# Altium PCB HGT-300.PcbDoc (part 1 of 3) (continued)
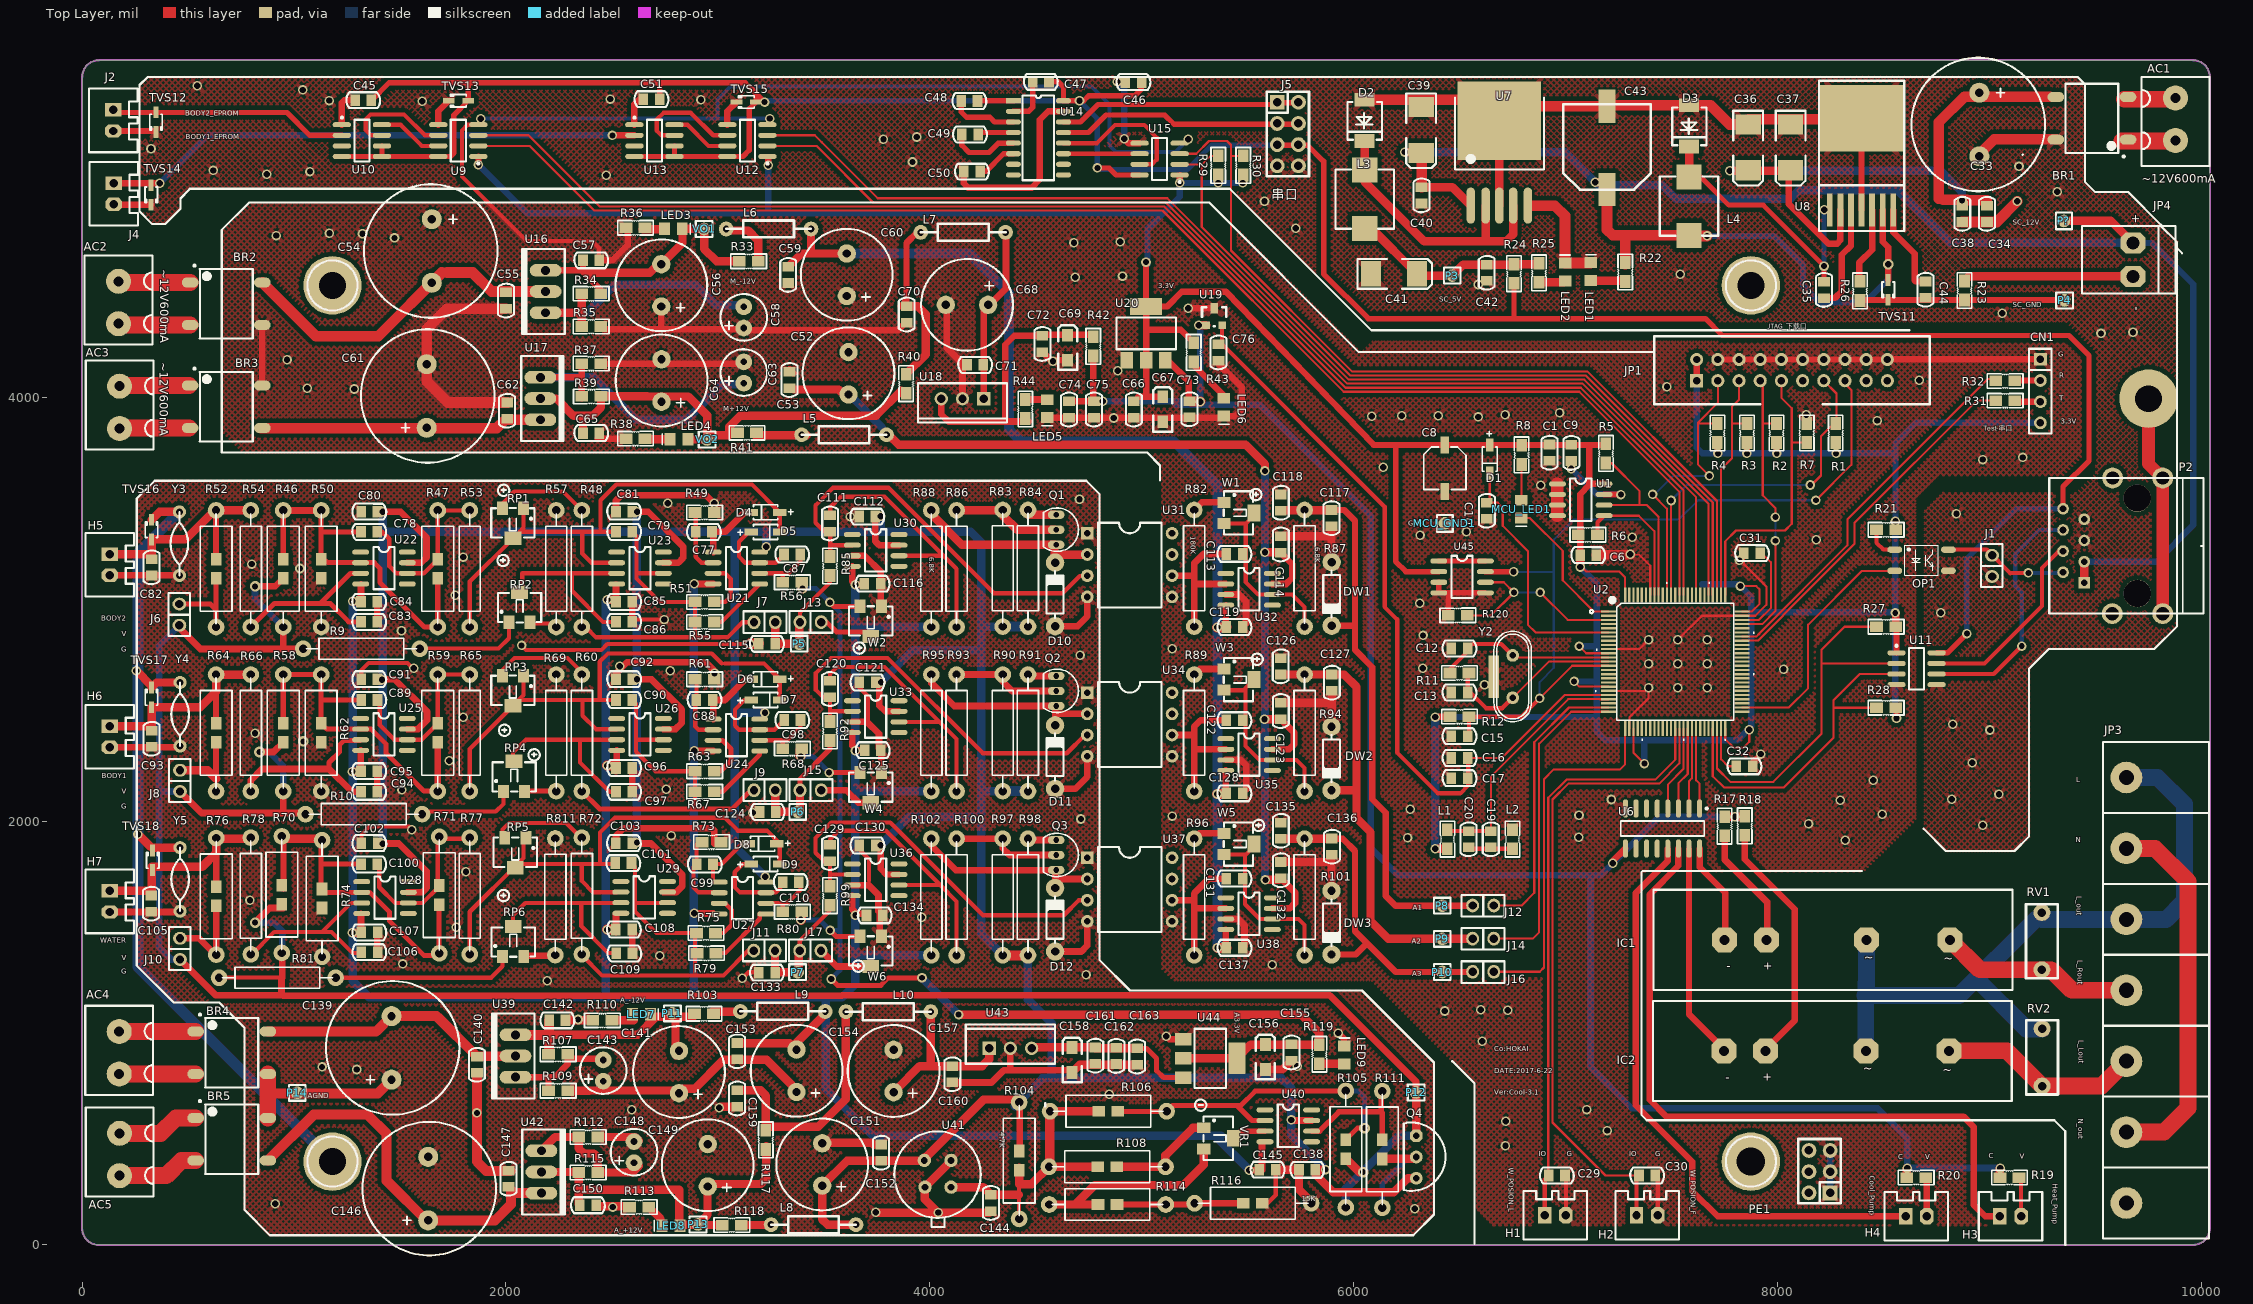
[diagram p0: Top Layer view]
## Components (designator, comment, footprint, x,y, rotation, side; value= is the part's Value field where it differs from the comment) (continued)
P4 "SC_GND" TESTSMD 9354,4457 r0 top
P5 "V_Body2" TESTSMD 3384,2837 r0 top
P6 "V_Test" TESTSMD 3377,2044 r0 top
P7 "Woter" TESTSMD 3376,1287.1 r0 top
P8 "ADC" TESTSMD 6418,1601 r0 top
P9 "ADC" TESTSMD 6418,1444.5 r0 top
P10 "ADC" TESTSMD 6418,1288 r0 top
P11 "VEE_-12V" TESTSMD 2785,1093 r0 top
P12 "VZ" TESTSMD 6294,720 r0 top
P13 "VCC_+12V" TESTSMD 2906,97 r0 top
P14 "AGND" TESTSMD 1015,718 r0 top
P? "SC12V" TESTSMD 9351,4832 r270 top
PE1 "PIN2*3" IDC2x3 8203,396 r90 top
Q1 "C9015/TO-92" TO-92 4596,3374.74 r0 top
Q2 "C9015/TO-92" TO-92 4596,2614 r0 top
Q3 "C9015/TO-92" TO-92 4596,1839.74 r0 top
Q4 "8050/NPN/TO92" TO92A 6295,515 r270 top
R1 "10kΩ/0.25W" R0805 8274,3876 r270 top
R2 "10kΩ/0.25W" R0805 7995,3876 r270 top
R3 "10kΩ/0.25W" R0805 7855.5,3876 r270 top
R4 "10kΩ/0.25W" R0805 7716,3876 r270 top
R5 "4.7KΩ/0.25W" R0805 7190,3690 r90 top
R6 "NC/0.25W" R0805 7150,3351 r180 top
R7 "10kΩ/0.25W" R0805 8138,3786.05 r90 top
R8 "2kΩ/0805" R0805 6792,3773 r270 top
R9 "3.3kΩ/DIP/0.1%/25ppm" AXIAL0.4#2 1038,2813 r0 top
R10 "3.3kΩ/DIP/0.1%/25ppm" AXIAL0.4#2 1049,2033 r0 top
R11 "1MΩ/0.25W" R0805 6454.05,2699 r0 top
R12 "10kΩ/0.25W" R0805 6544,2493 r180 top
R17 "200Ω/0.25W" R0805 7750,2021 r270 top
R18 "200Ω/0.25W" R0805 7845,2023 r270 top
R19 "200Ω/0.25W" R0805 9049,318.16 r0 top
R20 "2000Ω/0.25W" R0805 8609.03,318.16 r0 top
R21 "1KΩ/0.25W" R0805 8467,3375 r0 top
R22 "10kΩ/0.25W" R0805 7281,4636 r270 top
R23 "10Ω/1W/D" R0805 8882,4459 r90 top
R24 "0Ω/0.25W" R0805 6756,4538 r90 top
R25 "10kΩ/0.25W" R0805 6874,4632 r270 top
R26 "8.2kΩ/0.25W" R0805 8389,4547 r270 top
R27 "10kΩ/0.25W" R0805 8467,2917 r0 top
R28 "10kΩ/0.25W" R0805 8467,2535 r0 top
R29 "10kΩ/0.25W" R0805 5361,5139 r270 top
R30 "10kΩ/0.25W" R0805 5479,5139 r270 top
R31 "100Ω/0.25W" R0805 9029,3984 r0 top
R32 "100Ω/0.25W" R0805 9029,4077 r0 top
R33 "0Ω/0.25W" R0805 3190,4642 r180 top
R34 "350Ω/0.25W" R0805 2447,4488.74 r180 top
R35 "3kΩ/0.25W" R0805 2447,4333.74 r180 top
R36 "10kΩ/0.25W" R0805 2656,4800 r180 top
R37 "3kΩ/0.25W" R0805 2357.05,4158.74 r0 top
R38 "10kΩ/0.25W" R0805 2566.05,3804.74 r0 top
R39 "350Ω/0.25W" R0805 2448,4004 r180 top
R40 "0Ω/0.25W" R0805 3888,4109 r270 top
R41 "0Ω/0.25W" R0805 3182,3832 r180 top
R42 "0Ω/0.25W" R0805 4771,4285 r270 top
R43 "1kΩ/0.25W" R0805 5245.02,4256.48 r270 top
R44 "1.5kΩ/0.25W" R0805 4450.52,3989.21 r270 top
R46 "2kΩ/DIP/0.02%/10ppm" AXIAL-0.6-R 949,3191 r270 top
R47 "10kΩ/DIP/0.02%/10ppm" AXIAL-0.6-R 1678,3191 r270 top
R48 "9.1kΩ/DIP/0.1%/25ppm" AXIAL0.4#2 2358,2911 r90 top
R49 "10kΩ/0.25W" R0805 2982,3456.12 r180 top
R50 "2kΩ/DIP/0.02%/10ppm" AXIAL-0.6-R 1128,3191 r90 top
R51 "10kΩ/0.25W" R0805 2982,3034.48 r180 top
R52 "5.1kΩ/DIP/0.02%/10ppm" AXIAL-0.6-R 632,3191 r270 top
R53 "1kΩ/DIP/0.1%/25ppm" AXIAL0.4#2 1829,2911 r90 top
R54 "1kΩ/DIP/0.1%/25ppm" AXIAL0.4#2 796,2911 r90 top
R55 "10kΩ/0.25W" R0805 2892.05,2939.52 r0 top
R56 "10kΩ/0.25W" R0805 3306,3127 r0 top
R57 "5.6kΩ/DIP/0.1%/25ppm" AXIAL0.4#2 2237,3471 r270 top
R58 "2kΩ/DIP/0.02%/10ppm" AXIAL-0.6-R 949,2416.5 r270 top
R59 "10kΩ/DIP/0.02%/10ppm" AXIAL-0.6-R 1678,2416.5 r270 top
R60 "9.1kΩ/DIP/0.1%/25ppm" AXIAL0.4#2 2358,2136.5 r90 top
R61 "10kΩ/0.25W" R0805 2982,2669.48 r180 top
R62 "2kΩ/DIP/0.02%/10ppm" AXIAL-0.6-R 1128,2416.5 r90 top
R63 "10kΩ/0.25W" R0805 2982,2235.48 r180 top
R64 "5.1kΩ/DIP/0.02%/10ppm" AXIAL-0.6-R 632,2416.5 r270 top
R65 "1kΩ/DIP/0.1%/25ppm" AXIAL0.4#2 1829,2136.5 r90 top
R66 "1kΩ/DIP/0.1%/25ppm" AXIAL0.4#2 796,2136.5 r90 top
R67 "10kΩ/0.25W" R0805 2892.05,2138.52 r0 top
R68 "10kΩ/0.25W" R0805 3306,2342 r0 top
R69 "5.6kΩ/DIP/0.1%/25ppm" AXIAL0.4#2 2237,2696.5 r270 top
R70 "2kΩ/DIP/0.1%/25ppm" AXIAL-0.6-R 942.58,1653 r270 top
R71 "5.1kΩ/DIP/0.1%/25ppm" AXIAL-0.6-R 1685,1651 r270 top
R72 "13kΩ/DIP/0.1%/25ppm" AXIAL0.4#2 2358,1367 r90 top
R73 "10kΩ/0.25W" R0805 3015,1901 r180 top
R74 "2kΩ/DIP/0.1%/25ppm" AXIAL-0.6-R 1132,1635 r90 top
R75 "10kΩ/0.25W" R0805 2989,1471.86 r180 top
R76 "5.1kΩ/DIP/0.2%/25ppm" AXIAL-0.6-R 633,1645 r270 top
R77 "2.2kΩ/DIP/0.1%/25ppm" AXIAL0.4#2 1829,1367 r90 top
R78 "1kΩ/DIP/0.1%/25ppm" AXIAL0.4#2 796,1367 r90 top
R79 "10kΩ/0.25W" R0805 2901,1377 r0 top
R80 "10kΩ/0.25W" R0805 3306,1572 r0 top
R81 "1.8kΩ/DIP/0.1%/25ppm" AXIAL0.4#2 641,1261 r0 top
R82 "200kΩ/DIP/0.1%/25ppm" AXIAL0.4#2 5247,2913 r90 top
R83 "2.2kΩ/DIP/0.1%/25ppm" AXIAL0.4#2 4344,3473 r270 top
R84 "240Ω/DIP/0.1%/25ppm" AXIAL0.4#2 4463,3473 r270 top
R85 "200kΩ/0805/F" R0805 3528.98,3158.74 r90 top
R86 "6.8kΩ/DIP/0.1%/25ppm" AXIAL0.4#2 4126,2911 r90 top
R87 "6.8kΩ/DIP/0.1%/25ppm" AXIAL0.4#2 5768,2913 r90 top
R88 "33kΩ/DIP/0.1%/25ppm" AXIAL0.4#2 4007,3471 r270 top
R89 "200kΩ/DIP/0.1%/25ppm" AXIAL0.4#2 5247,2136.5 r90 top
R90 "2.2kΩ/DIP/0.1%/25ppm" AXIAL0.4#2 4344,2696.5 r270 top
R91 "240Ω/DIP/0.1%/25ppm" AXIAL0.4#2 4463,2696.5 r270 top
R92 "200kΩ/0805/F" R0805 3528.98,2380 r90 top
R93 "6.8kΩ/DIP/0.1%/25ppm" AXIAL0.4#2 4126,2136.5 r90 top
R94 "6.8kΩ/DIP/0.1%/25ppm" AXIAL0.4#2 5768,2136.5 r90 top
R95 "33kΩ/DIP/0.1%/25ppm" AXIAL0.4#2 4007,2696.5 r270 top
R96 "200kΩ/DIP/0.1%/25ppm" AXIAL0.4#2 5247,1362 r90 top
R97 "2.2kΩ/DIP/0.1%/25ppm" AXIAL0.4#2 4344,1922 r270 top
R98 "240Ω/DIP/0.1%/25ppm" AXIAL0.4#2 4463,1922 r270 top
R99 "200kΩ/0805/F" R0805 3528.98,1603 r90 top
R100 "6.8kΩ/DIP/0.1%/25ppm" AXIAL0.4#2 4126,1362 r90 top
R101 "6.8kΩ/DIP/0.1%/25ppm" AXIAL0.4#2 5768,1362 r90 top
R102 "33kΩ/DIP/0.1%/25ppm" AXIAL0.4#2 4007,1922 r270 top
R103 "0Ω/0.25W" R0805 2979,1091 r180 top
R104 "560Ω/DIP/0.1%/25ppm" AXIAL-0.6-R 4421,398 r90 top
R105 "6.2kΩ/DIP/0.02%/10ppm" AXIAL-0.6-R 5963,452 r270 top
R106 "10kΩ/DIP/0.02%/10ppm" AXIAL-0.6-R 4842,631 r0 top
R107 "350Ω/0.25W" R0805 2200.91,900 r0 top
R108 "15kΩ/DIP/0.02%/10ppm" AXIAL-0.6-R 4837,369 r180 top
R109 "3kΩ/0.25W" R0805 2290.86,728 r180 top
R110 "10kΩ/0.25W" R0805 2500,1059.86 r180 top
R111 "5.1kΩ/DIP/0.02%/10ppm" AXIAL-0.6-R 6135,451 r270 top
R112 "3kΩ/0.25W" R0805 2342.91,509.74 r0 top
R113 "10kΩ/0.25W" R0805 2583,179 r0 top
R114 "300Ω/DIP/0.02%/10ppm" AXIAL-0.6-R 4838,191 r0 top
R115 "350Ω/0.25W" R0805 2342.91,342 r0 top
R116 "14.1kΩ/DIP/0.02%/10ppm" AXIAL-0.6-R 5524,197 r180 top
R117 "0Ω/0.25W" R0805 3226,541 r270 top
R118 "0Ω/0.25W" R0805 3110.56,94 r180 top
R119 "1kΩ/0.25W" R0805 5838,945 r270 top
R120 "10kΩ/0.25W" R0805 6446,2971 r0 top
R811 "6.2kΩ/DIP/0.1%/25ppm" AXIAL0.4#2 2232.94,1362.94 r90 top
RP1 "500Ω/0.5W/G" 3224W 2033,3417 r180 top
RP2 "500Ω/0.5W/G" 3224W 2064,2998 r0 top
RP3 "500Ω/0.5W/G" 3224W 2033,2627 r180 top
RP4 "500Ω/500/0.5W/G" 3224W 2038,2199 r0 top
RP5 "200Ω/0.5W/G" 3224W 2044,1863 r180 top
RP6 "500Ω/0.5W/G" 3224W 2034,1420 r0 top
RV1 "391K" RV0.3 9247,1433.74 r90 top
RV2 "391K" RV0.3 9248,885 r90 top
TVS11 "ESD15V32D-LC" SOD323 8522,4553 r270 top
TVS12 "ESD08V32D-LC" SOD323 349,5344 r270 top
TVS13 "ESD08V32D-LC" SOD323 1822,5399 r180 top
TVS14 "ESD08V32D-LC" SOD323 326,5001 r270 top
TVS15 "ESD08V32D-LC" SOD323 3180,5393 r180 top
TVS16 "ESD15V32D-LC" SOD323 327.5,3329 r90 top
TVS17 "ESD15V32D-LC" SOD323 327.5,2538 r90 top
TVS18 "ESD15V32D-LC" SOD323 333,1769 r90 top
U1 "AT24C128" SO-8 6961,3591 r0 top
U2 "STM32F407VGT" LQFP-100 7202,2988.74 r0 top
U6 "ULN2003" SOIC-16 7457,1965 r270 top
U7 "LM2596" TO263 6687,4904.3 r0 top
U8 "LM2676S-12" TO-263-7 8196,5343.74 r0 top
U9 "ADUM1201" SOIC8_N 1775,5211 r180 top
U10 "DS2480B+" SOIC8_N 1320.2,5210.84 r0 top
U11 "ADUM1201" SOIC8_N 8655.61,2719 r0 top
U12 "ADUM1201" SOIC8_N 3139,5211 r180 top
U13 "DS2480B+" SOIC8_N 2700.4,5210.84 r0 top
U14 "MAX232" SOP16 4394,5399 r0 top
U15 "ADUM1201" SOIC8_N 5084,5124 r180 top
U16 "LM337/TO-220H" TO220H 2187,4398.74 r90 top
U17 "LM317/TO-220H" TO220H 2162,4093.74 r270 top
U18 "LM78L05" TO-220 4154,3993 r180 top
U19 "REF3333/SOT23" SOT-23-B 5304,4340 r0 top
U20 "AS1117M3-33/SOT-223" SOT-223-3L(M3) 4930,4174.74 r0 top
U21 "LM358/SO-8" SO-8 2977,3269 r0 top
U22 "OP07CZ/SO-8" SO-8 1314,3269 r0 top
U23 "OP07CZ/SO-8" SO-8 2522,3269 r0 top
U24 "LM358/SO-8" SO-8 2977,2481 r0 top
U25 "OP07CZ/SO-8" SO-8 1314,2483.74 r0 top
U26 "OP07CZ/SO-8" SO-8 2522,2483.74 r0 top
U27 "LM358/SO-8" SO-8 3006,1712 r0 top
U28 "OP07CZ/SO-8" SO-8 1319,1714 r0 top
U29 "OP07CZ/SO-8" SO-8 2542,1715 r0 top
U30 "OP07CZ/SO-8" SO-8 3634,3352 r0 top
U31 "HCNR201/WDIP8" DIP08W 4693,3408 r0 top
U32 "OP07CZ/SO-8" SO-8 5396,3168.74 r0 top
U33 "OP07CZ/SO-8" SO-8 3634,2568 r0 top
U34 "HCNR201/WDIP8" DIP08W 4693,2656 r0 top
U35 "OP07CZ/SO-8" SO-8 5396,2388.74 r0 top
U36 "OP07CZ/SO-8" SO-8 3634,1798 r0 top
U37 "HCNR201/WDIP8" DIP08W 4693,1877 r0 top
U38 "OP07CZ/SO-8" SO-8 5396,1638 r0 top
U39 "LM337/TO-220H" TO220H 2045,791.74 r90 top
U40 "OP07CZ/SO-8" SO-8 5581,637 r0 top
U41 "LM399AH" LM399 4037,333 r270 top
U42 "LM317/TO-220H" TO220H 2166.98,444.74 r270 top
U43 "LM78L05" TO-220 4380,928 r0 top
U44 "AS1117M3-33/SOT-223" SOT-223-3L(M3) 5196,971 r270 top
U45 "MAX706AS/SO8" SO-8 6401,3227 r0 top
VO1 "VO1_VEE_-12V" TESTSMD 2935,4794 r0 top
VO2 "VO2_VCC_+12V" TESTSMD 2949,3801 r0 top
VR1 "100Ω/0.5W/G" 3224W 5351,503 r270 top
W1 "20kΩ/0.5W/J" 3224W 5446.79,3454 r270 top
W2 "10kΩ/0.5W/J" 3224W 3721,2954 r180 top
W3 "20kΩ/0.5W/J" 3224W 5446.79,2668 r270 top
W4 "10kΩ/0.5W/J" 3224W 3721,2170 r180 top
W5 "20kΩ/0.5W/J" 3224W 5446.79,1892 r270 top
W6 "10kΩ/0.5W/J" 3224W 3721,1397 r180 top
Y2 "8.00MHz" XTAL_SOCKET 6750,2582 r270 top
Y3 "*" CY1002 459,3459 r270 top
Y4 "*" CY1002 462,2654 r270 top
Y5 "*" CY1002 462,1875 r270 top

## Footprints (in the part's own frame and the unit in brackets; to place one, negate y for a bottom-side part, rotate by r counter-clockwise, add the part's x,y. Pads: shape width x height; smd on the part's side, far side on the other; paste and mask are expansions set on the pad)
2Pin-2.54 [mil]
  oval 60x65 hole 39.37: 1(0,0) 2(-100.1,0)
  silkscreen extent -153,-52 50,50, body extent -153,-51 47,49, height 336
4Pin-2.54 [mil]
  rect 60x60 hole 35: 1(150,0)
  round 60 hole 35: 2(50,0) 3(-50,0) 4(-150,0)
  silkscreen extent -200,-52 200,53, body extent -200,-50 200,50, height 336
3224W [mm]
  rect 1.3x1.6 smd: 1(-1.27,-1.5) 3(1.27,-1.5)
  rect 2x1.6 smd: 2(0,2.1)
  silkscreen extent -2.6,-1.52 2.6,2
AXIAL0.4#1 [mil]
  round 70 hole 32: 1(0,0) 2(0,400)
  silkscreen extent -40,0 40,400
AXIAL0.4#2 [mil]
  round 78.74 hole 39.37: 1(5,0) 2(555,0)
  silkscreen extent 20,-50 540,50
AXIAL-0.6-R [mm] "1W"
  round 2 hole 1: 1(-6.985,0) 2(6.985,0)
  rect 1.524x1.27 smd: 1(-1.143,0) 2(1.143,0)
  silkscreen extent -6.6,-1.91 6.6,1.91
C10X10 [mm]
  rect 2x4 smd: 1(0,-0.1)
  rect 2.032x4 smd: 2(0,9.9)
  silkscreen extent -5.25,-0.1 5.25,10.1
C0805 [mil]
  rect 45.37x55.12 smd: 1(-1,2) 2(76,2)
  silkscreen extent -42,-35 117,40
C3216 [mil] "A型/1206"
  rect 60x51.18 smd: 1(-59,0) 2(59,0)
  silkscreen extent -105,-45 105,45, body extent -63,-31 63,32, height 63
C6032 [mil] "C型"
  rect 95x120 smd: 1(-112,1) 2(104,1)
  silkscreen extent -183,-69 169,71, body extent -121,-62 115,64, height 102
CAP5X5 [mm]
  rect 2x1 smd: 1(-2.794,0) 2(2.794,0)
  silkscreen extent -2.54,-2.54 2.54,2.54, body extent -2.27,-2.15 2.33,2.15, height 5.2
CY1002 [mil]
  round 62 hole 32: 1(0,0) 2(300,0)
  silkscreen extent 0,-41 300,41
DB157S [mm]
  oval 2x1.2 smd: +(4.325,-2.55) -(4.325,2.55) AC1(-4.325,2.55) AC2(-4.325,-2.55)
  silkscreen extent -3.93,-4.15 3.18,4.7
DIODE0.2 [mm]
  round 2.2 hole 1: A(-3.81,0) K(3.81,0)
  silkscreen extent -2.79,-1.02 2.79,1.02
DIP08W [mil]
  rect 60x60 hole 32: 1(49.94,-49.96)
  round 60 hole 32: 2(49.94,-149.96) 3(49.94,-249.96) 4(49.94,-349.96) 5(449.94,-349.96) 6(449.94,-249.96) 7(449.94,-149.96) 8(449.94,-49.96)
  silkscreen extent 100,-400 400,0
HEADER1X2B [mil]
  oct 100x120 hole 60: 1(78.74,0) 2(-78.74,0)
  silkscreen extent -160,-200 160,240
HEADER1x7 [mm]
  round 3.8 hole 1.8: 1(0,-25.5) 2(0,-17) 3(0,-8.5) 4(0,0) 5(0,8.5) 6(0,17) 7(0,25.5)
  silkscreen extent -2.8,-29.75 9.9,29.75
HEADER2 [mm]
  round 3 hole 1.2: 1(0,0) 2(5.08,0)
  silkscreen extent -3.09,-4.06 7.58,4.06
HHG1-REALY [mm]
  oct 3x3 hole 1.2: 1(7.5,6) 2(17.5,6) 3(29.5,6) 4(34.5,6)
  silkscreen extent 0,0 43,12
IDC2x3 [mil]
  rect 70x70 hole 40: 1(-150,-45)
  round 70 hole 40: 2(-50,-45) 3(50,-45) 4(50,55) 5(-50,55) 6(-150,55)
  silkscreen extent -200,-95 104,105, body extent -198,-90 102,103, height 336
IDC4*2 [mil]
  rect 70x70 hole 40: 1(141,-166)
  round 70 hole 40: 2(141,-66) 3(141,34) 4(141,134) 5(41,134) 6(41,34) 7(41,-66) 8(41,-166)
  silkscreen extent -9,-216 191,184, body extent -8,-214 191,186, height 336
IDC20_A [mil]
  rect 62x62 hole 35: 1(0,0)
  round 62 hole 35: 2(0,100) 3(100,0) 4(100,100) 5(200,0) 6(200,100) 7(300,0) 8(300,100) 9(400,0) 10(400,100) 11(500,0) 12(500,100) 13(600,0) 14(600,100) 15(700,0) 16(700,100) 17(800,0) 18(800,100) 19(900,0) 20(900,100)
  silkscreen extent -200,-110 1100,210
L0805 [mil]
  rect 60x50 smd: 1(0,0) 2(90,0)
  silkscreen extent -39,-34 129,34
LED_0805 [mm]
  rect 1.3x1.5 smd: 1(-1.2,0) 2(0.95,0)
  silkscreen extent 1.91,-0.63 1.91,0.64
LM399 [mm]
  round 1.6 hole 0.8: 1(1.524,1.6) 2(-1.676,1.6) 3(-1.676,-1.6) 4(1.524,-1.524)
  silkscreen extent -5.16,-5.21 6.32,5.16
LQFP-100 [mil]
  rect 70.87x10.5 smd: 1(0,0.01)
  rect 70x10.5 smd: 2(0,-19.68) 3(0,-39.36) 4(0,-59.05) 5(0,-78.73) 6(0,-98.41) 7(0,-118.1) 8(0,-137.78) 9(0,-157.47) 10(0,-177.15) 11(0,-196.84) 12(0,-216.52) 13(0,-236.21) 14(0,-255.9) 15(0,-275.58) 16(0,-295.27) 17(0,-314.95) 18(0,-334.64) 19(0,-354.32) 20(0,-374.01) 21(0,-393.69) 22(0,-413.38) 23(0,-433.06) 24(0,-452.74) 25(0,-472.43) 51(629.92,-472.43) 52(629.92,-452.74) 53(629.92,-433.06) 54(629.92,-413.38) 55(629.92,-393.69) 56(629.92,-374.01) 57(629.92,-354.32) 58(629.92,-334.64) 59(629.92,-314.95) 60(629.92,-295.27) 61(629.92,-275.58) 62(629.92,-255.9) 63(629.92,-236.21) 64(629.92,-216.52) 65(629.92,-196.84) 66(629.92,-177.15) 67(629.92,-157.47) 68(629.92,-137.78) 69(629.92,-118.1) 70(629.92,-98.41) 71(629.92,-78.73) 72(629.92,-59.05) 73(629.92,-39.36) 74(629.92,-19.68) 75(629.92,0.01)
  rect 10.5x70 smd: 26(78.74,-551.17) 27(98.43,-551.17) 28(118.11,-551.17) 29(137.8,-551.17) 30(157.48,-551.17) 31(177.17,-551.17) 32(196.85,-551.17) 33(216.54,-551.17) 34(236.22,-551.17) 35(255.91,-551.17) 36(275.59,-551.17) 37(295.28,-551.17) 38(314.96,-551.17) 39(334.65,-551.17) 40(354.33,-551.17) 41(374.02,-551.17) 42(393.7,-551.17) 43(413.39,-551.17) 44(433.07,-551.17) 45(452.76,-551.17) 46(472.44,-551.17) 47(492.13,-551.17) 48(511.81,-551.17) 49(531.5,-551.17) 50(551.18,-551.17) 76(551.18,78.75) 77(531.5,78.75) 78(511.81,78.75) 79(492.13,78.75) 80(472.44,78.75) 81(452.76,78.75) 82(433.07,78.75) 83(413.39,78.75) 84(393.7,78.75) 85(374.02,78.75) 86(354.33,78.75) 87(334.65,78.75) 88(314.96,78.75) 89(295.28,78.75) 90(275.59,78.75) 91(255.91,78.75) 92(236.22,78.75) 93(216.54,78.75) 94(196.85,78.75) 95(177.17,78.75) 96(157.48,78.75) 97(137.8,78.75) 98(118.11,78.75) 99(98.43,78.75) 100(78.74,78.75)
  silkscreen extent -88,-607 688,138
M-SMB7X7 [mm]
  rect 3x3 smd: 1(-3.5,0) 2(3.5,0)
  silkscreen extent -3.56,-3.5 3.56,3.5
R0805 [mil]
  rect 60x50 smd: 1(0,0) 2(90,0)
  silkscreen extent -39,-35 129,35
RB.1/.2 [mm]
  round 2 hole 0.8: 1(-1.27,0) 2(1.27,0)
  silkscreen extent -2.79,-2.79 2.79,2.79
RB.2/.4 [mm]
  round 2.2 hole 1: 1(2.54,0) 2(-2.54,0)
  silkscreen extent -5.5,-5.5 5.5,5.5
RB.3/.6 [mm]
  round 2.4 hole 1: 1(-3.81,0) 2(3.81,0)
  silkscreen extent -8,-8.13 8,7.87
RJ45 [mil]
  rect 55x55 hole 31.5: 1(0,0)
  round 55 hole 31.5: 2(-50,-100) 3(-100,0) 4(-150,-100) 5(-200,0) 6(-250,-100) 7(-300,0) 8(-350,-100)
  round 130 hole 127.95 unplated: 9(50,250) 10(-400,250)
  round 98.42 hole 62.99: 11(145,370) 12(-495,370) ""(-495,133.78) ""(145,131.89)
  silkscreen extent -495,-165 145,563, body extent -490,-172 140,556, height 128
RV0.3 [mil]
  round 80 hole 40: 1(135,0) 2(-135,0)
  silkscreen extent -175,-75 175,75
SMB-2 [mm] "DO-214AA"
  rect 1.65x2.4 smd: 1(2.475,0) 2(-2.475,0)
  silkscreen extent -2.31,-2.11 2.21,2.01, body extent -2.75,-1.98 2.75,1.92, height 2.45
SO-8 [mil]
  oval 80x24 smd: 1(0.24,0.13) 2(0.24,-49.87) 3(0.24,-99.87) 4(0.24,-149.87) 5(220.24,-149.87) 6(220.24,-99.87) 7(220.24,-49.87) 8(220.24,0.13)
  silkscreen extent 60,-175 160,25
SOD123 [mm] "1206"
  rect 1.6x0.85 smd: A(0,0) K(-3.4,0)
  silkscreen extent -3.15,-0.9 1.6,0.9, body extent -3.6,-0.85 0.25,0.85, height 1.42
SOD323 [mm] "0805"
  rect 1.4x0.6 smd: 1(0,0) 2(2.35,0)
  silkscreen extent 0.22,-0.75 2.12,0.75, body extent -0.17,-0.67 2.43,0.63, height 1
SOIC8_N [mm]
  oval 2.2x0.6 smd: 1(-2.4,1.905) 2(-2.4,0.635) 3(-2.4,-0.635) 4(-2.4,-1.905) 5(2.4,-1.905) 6(2.4,-0.635) 7(2.4,0.635) 8(2.4,1.905)
  silkscreen extent -2.52,-2.5 0.9,2.88
SOIC-16 [mm] "SOIC, 16-Leads, Body 9.90x3.90mm, Pitch 1.27mm, IPC Medium Density"
  oval 2.2x0.6 smd: 1(-2.4,4.445) 2(-2.4,3.175) 3(-2.4,1.905) 4(-2.4,0.635) 5(-2.4,-0.635) 6(-2.4,-1.905) 7(-2.4,-3.175) 8(-2.4,-4.445) 9(2.4,-4.445) 10(2.4,-3.175) 11(2.4,-1.905) 12(2.4,-0.635) 13(2.4,0.635) 14(2.4,1.905) 15(2.4,3.175) 16(2.4,4.445)
  silkscreen extent -2.52,-5 0.9,5.42, body extent -3,-4.95 3,4.95, height 1.4
SOP4 [mil] "AQY211G2S"
  oval 70x30 smd: A(0,0) C(253.23,0) E(253.23,-100) K(0,-100)
  silkscreen extent 47,-122 205,20, body extent -8,-122 268,20, height 79
SOP16 [mm]
  rect 1.8x0.62 smd: 1(0,0)
  oval 1.8x0.62 smd: 2(0,-1.27) 3(0,-2.54) 4(0,-3.81) 5(0,-5.08) 6(0,-6.35) 7(0,-7.62) 8(0,-8.89) 9(6,-8.89) 10(6,-7.62) 11(6,-6.35) 12(6,-5.08) 13(6,-3.81) 14(6,-2.54) 15(6,-1.27) 16(6,0)
  silkscreen extent 1.09,-9.53 4.88,0.64
SOT-23-B [mil]
  rect 36x36 smd: 1(0,0) 2(75,0)
  rect 36x50 smd: 3(38,80)
  silkscreen extent -20,-5 95,85
SOT-223-3L(M3) [mil]
  rect 59x79 smd: 1(0,0) 2(90.55,0) 3(181.1,0)
  rect 150x79 smd: 4(89.88,253.54)
  silkscreen extent -49,52 231,202
TESTSMD [mil]
  round 60 smd: 1(0,0)
  silkscreen extent -39,-37 39,37
TO92A [mil]
  round 60 hole 32: B(100,0) C(200,0)
  oct 60x60 hole 32: E(0,0)
  silkscreen extent -63,-59 260,138
TO220H [mil]
  oval 60x150 hole 42: 1(0,0.01) 2(100,0.01) 3(200,0.01)
  silkscreen extent -100,-90 300,110
TO263 [mil]
  rect 393.7x370.08 smd: 0(0,400.01)
  oval 40x170 smd: 1(-135,0.01) 2(-65,0.01) 3(0,0.01) 4(65,0.01) 5(135,0.01)
  silkscreen extent -209,170 211,510
TO-92 [mm] "TO, Flat Index; 3 In-Line, Axial Leads; Body Dia. 4.8mm; Leads 0.48 x 0.5 mm (max)"
  oval 2x1 hole 0.7: 1(0,0) 2(0,1.8) 3(0,-1.8)
  silkscreen extent -1.52,-2.58 2.68,2.62, body extent -1.53,-2.6 2.72,2.58, height 8
TO-220 [mm]
  rect 1.6x1.6 hole 1: 1(-2.54,0)
  round 1.6 hole 1: 2(0,0) 3(2.54,0)
  silkscreen extent -5.35,-1.85 5.35,2.85
TO-263-7 [mm]
  rect 0.7x4 smd: 1(1.27,-11.684) 2(2.54,-11.684) 3(3.81,-11.684) 4(5.08,-11.684) 5(6.35,-11.684) 6(7.62,-11.684) 7(8.89,-11.684)
  rect 10x8 smd: 8(5.1,-0.7)
  silkscreen extent 0,-14.2 10.2,3.8
XH2 [mm]
  rect 1.6x2 hole 1: 1(0,0)
  oct 1.6x2 hole 1: 2(2.54,0)
  silkscreen extent -2.54,-2.9 5.08,2.9
XTAL_SOCKET [mil]
  rect 200x50 smd: 0(-100,-90)
  round 60 hole 30: 1(0,0) 2(-200,0)
  silkscreen extent -315,-89 114,89

## Part data
AC1 AC2 AC3 AC4 AC5 H1 H2 H3 H4 H5 H6 H7 J2 J4 JP4: library part CON2
BR1 BR2 BR3 BR4 BR5: library part NBRIDGE1, "BR"
C1 C2 C3 C4 C5 C6 C7 C10 C15 C16 C17 C18 C19 C20 C31 C32 C35 C38 C40 C42 C44 C45 C51 C66 C74 C75 C155 C162 C163 Y3 Y4 Y5: library part CAP, "Capacitor"
C8 C36 C37 C39 C41 C43 C67 C69 C156 C158: library part ELECTRO1, "Electrolytic Capacitor"
C9 C12 C13 C29 C30 C34 C53 C55 C57 C59 C62 C65 C70 C71 C72 C73 C76 C77 C78 C79 C80 C81 C82 C83 C84 C85 C86 C87 C88 C89 C90 C91 C92 C93 C94 C95 C96 C97 C98 C99 C100 C101 C102 C103 C105 C106 C107 C108 C109 C110 C111 C112 C113 C114 C115 C116 C117 C118 C119 C120 C121 C122 C123 C124 C125 C126 C127 C128 C129 C130 C131 C132 C133 C134 C135 C136 C137 C138 C140 C142 C144 C145 C147 C150 C152 C153 C159 C160 C161: library part CAP
C33 C52 C54 C56 C58 C60 C61 C63 C64 C68 C139 C141 C143 C146 C148 C149 C151 C154 C157: library part ELECTRO2
C46 C47 C48 C49 C50: library part Cap, "Capacitor"
CN1: library part CON4, "Connector"
D2 D3: library part ZENER2, "Zener Diode"
D10 D11 D12: library part DIODE0
DW1 DW2 DW3: library part ZENER0
IC1 IC2: library part OPTOTRIAC
J5 P2: "Header, 4-Pin, Dual row"
JP1: library part JTAG20
JP3: library part CON7
L1 L2: library part INDUCTOR1
L3 L4 L5 L6 L7 L8 L9 L10: library part INDUCTOR2
LED3 LED4 LED7 LED8: library part B_LED
MCU_GND1 P3 P4 P5 P6 P7 P8 P9 P10 P11 P12 P13 P14 P? VO1 VO2: library part CON1
OP1: library part TLP521
Q1 Q2 Q3: library part PNP
Q4: library part NPN
R1 R2 R3 R4 R7 R8 R9 R10 R11 R12 R17 R18 R19 R20 R21 R22 R23 R24 R25 R26 R27 R28 R29 R30 R31 R32 R33 R34 R35 R36 R37 R38 R39 R40 R41 R42 R43 R44 R46 R47 R48 R49 R50 R51 R52 R53 R54 R55 R56 R57 R58 R59 R60 R61 R62 R63 R64 R65 R66 R67 R68 R69 R70 R71 R72 R73 R74 R75 R76 R77 R78 R79 R80 R81 R82 R83 R84 R85 R86 R87 R88 R89 R90 R91 R92 R93 R94 R95 R96 R97 R98 R99 R100 R101 R102 R103 R104 R107 R109 R110 R111 R112 R113 R114 R115 R117 R118 R119 R120 R811: library part RES2
R5 R6: library part Res2, "Resistor"
R105 R106 R108 R116: library part RES3
RP1 RP2 RP3 RP4 RP5 RP6 VR1 W1 W2 W3 W4 W5 W6: library part RPOT
RV1 RV2: library part VARISTOR
TVS11 TVS12 TVS13 TVS14 TVS15 TVS16 TVS17 TVS18: library part TVS
U1: library part 24WC02
U6: "U?"
U8: library part LM2676
U14: library part MAX232_DIP16
U16 U39: library part LM337
U17 U42: library part LM317, "L"
U19: library part REF33XX
U20 U44: library part AS1117M3-33
U21 U24 U27: library part MC1458D
U22 U23 U25 U26 U28 U29 U30 U32 U33 U35 U36 U38 U40: library part OP07CZ
U31 U34 U37: library part HCNR201
U45: library part MAX705CPA
Y2: library part CRYSTAL

## Free pads (board coordinates)
  round 275.59 hole 126: ""(1181.25,393.7)
  round 275.59 hole 125.98: ""(1181.25,4527.56) ""(7874.17,4527.56) ""(9750.17,3993.56)
  round 275.59 hole 133.86: ""(7874.17,393.7)

## Via types
v1: diameter 45, hole 30, Top Layer to Bottom Layer, 224 vias
v2: diameter 45, hole 28, Top Layer to Bottom Layer, 35 vias
v3: diameter 50, hole 28, Top Layer to Bottom Layer, 6 vias
v4: diameter 50, hole 30, Top Layer to Bottom Layer, 1 vias

## Nets (pads, with @x,y where several pads share a name; then routed paths per layer and width w, separated by ;. In a path a pad name is that pad's centre, name@x,y a point inside that pad or via, vN(x,y) a via of type N, cw(c..) or ccw(c..) an arc to the next point about the centre after c; other vN are vias at no path point)
3.3V: C1.2 C2.1 C3.1 C4.1 C5.1 C6.1 C7.1 C8.1 C9.1 C18.2 C66.1 C67.1 CN1.4 D1.A JP1.1 JP1.2 L1.1 R1.2 R2.2 R3.2 R4.2 R5.2 R6.2 R8.1 R12.2 R21.2 R27.2 R28.2 R29.2 R30.2 R43.1 U1.8 U2.11 U2.19 U2.28 U2.50 U2.75 U2.100 U9.1 U11.1 U12.1 U15.1 U20.2 U20.4 U45.2 | length 19486
  Top Layer w10: v2(7040,2659) 7064.58,2634.42 U2.19@7202,2634.42 ; v2(7064,2825) 7097.1,2791.9 U2.11@7202,2791.9 ; v1@7068,3207 7097,3178 7252,3178 7280.74,3149.26 U2.100@7280.74,3067.49 ; U2.28@7320.11,2437.57 7320.11,2322.89 7371,2272 v2(7371,2271) ; U2.50@7753.18,2437.57 7753.18,2386.82 7794,2346 7838,2346 7866,2374 v1(7866,2431) ; v2(7824,3109) 7899,3109 7915,3093 7915,3026 7877.75,2988.75 U2.75@7831.92,2988.75
  Top Layer w20: CN1.4@9237.25,3876.25 CN1.4@9240,3879
  Top Layer w25: 6197.65,3773.65 6197.65,3225.35 6245.87,3177.13 U45.2@6401.24,3177.13
  Top Layer w30: v1(1870,5097) U9.1@1870,5135.48 ; v1(3237,5095) U12.1@3237,5132.48 ; C66.1@4983,4001.74 C67.1@5099,4001.74 ; v2(5019.88,4637.88) U20.4@5019.88,4428.28 5119.28,4428.28 5188,4497 5397,4497 6094,3775 C8.1@6430,3775 D1.A@6642,3775 7112,3775 ; 5020.55,4003.19 U20.2@5020.55,4174.74 5020.55,4318 ; U20.4@5020.55,4427.62 5020.55,4318 ; v1(5179,5011) U15.1@5179,5048.48 ; R43.1@5245.02,4256.48 5183.51,4318 5020.55,4318 ; v1@6386,2493 R12.2@6454,2493 ; C6.1@7068,3255 7068,3543 7112,3587 7112,3775 ; 7116.13,3591.13 U1.8@7181.24,3591.13 ; R5.2@7190,3780 7185,3775 7112,3775 ; JP1.1@7618,4078 JP1.2@7618,4178 ; R4.2@7716,3786 7718.27,3783.73 v2(7718.27,3735) ; v2(7855,3735) 7855.5,3735.5 R3.2@7855.5,3786 ; R2.2@7995,3786 7995,3736 v2(7996,3735) ; R28.2@8557,2535 8561,2531 v1(8561,2486) ; R27.2@8557,2917 8555,2919 v2(8555,2983) 8561.12,2976.88 U11.1@8561.12,2794.01
  Top Layer w40: v1@6384.53,1869.53 L1.1@6442,1869.53 ; v1@7068,3207 C6.1@7068,3255
  Bottom Layer w30: v1(1870,5097) 2099,4868 3237,4868 ; v1(3237,5095) 3237,4868 ; v2@5026.88,4624.88 5026.88,4793.88 5101,4868 ; v1(5477,5011) v1(5360,5011) v1(5179,5011) 5179,4946 5101,4868 ; v1(6384,2491) 7139,2491 ; v2(7040,2659) C3.1@7139,2659 ; v2(7064,2825) C5.1@7144,2825 ; v1(7069,3199) 7146,3122 C18.2@7146,2568 7146,2423 7187,2382 C2.1@7304,2382 7373,2382 ; v2@7368,2274 v2(7371,2271) 7371,2380 7373,2382 ; JP1.1@7607,4067 JP1.1@7618,4078 7618,3762 7645,3735 v2(7718.27,3735) v2(7855,3735) v2(7996,3735) v2(8276,3735) 8556,3735 ; C7.1@7643,3117 7818,3117 7876,3059 C4.1@7876,2985 ; v1(8561,2486) 8555,2492 v2(8555,2983) ; CN1.4@9240,3879 8652,3879 8556,3783 8556,3735 ; 3237,4868 5101,4868 ; 7373,2382 7811,2382 7876,2447 C4.1@7876,2985 ; C4.1@7876,2985 8553,2985 v2(8555,2983) ; v2(8555,2983) 8555,3414 v1(8556,3415) 8556,3735
  Bottom Layer w40: v1(6384,1869) v1(6384,2491)